# Allegro board S071AA-0413-20260427.brd (continued)
## Routing (per net, layer and track width the routed paths; a pad name or vN(x,y) marks a point on that pad's centre or on a via; arc(x,y) is an arc through that point) (continued)
S1_CBIT035: length 177
  TOP w0.305: LD35.2 118.13,153.92 K35.1
  L13_CBIT w0.305: K35.1 117.39,154.66 117.39,137.32 136.38,118.33 155.16,118.33 164.19,109.3 164.19,18.96 165.37,17.78
S1_CBIT036: length 174.6
  TOP w0.305: LD36.2 140.99,153.67 K36.1
  L13_CBIT w0.305: K36.1 140.14,154.51 140.14,137 145.67,131.47 161.97,131.47 179.33,114.11 179.33,16.5 178.07,15.24
S1_CBIT037: length 200.7
  TOP w0.305: LD37.2 125.75,177.04 K37.1
  L13_CBIT w0.305: 172.99,17.78 171.72,19.05 171.72,112.49 159.95,124.26 140.02,124.26 126.67,137.61 126.67,176.11 K37.1
S1_CBIT038: length 189.6
  TOP w0.305: K38.1 148.61,177.04 LD38.2
  L13_CBIT w0.305: 188.23,15.24 189.59,16.6 189.59,125.23 181.25,133.56 181.25,143.17 146.07,178.36 K38.1
S1_CBIT039: length 178.5
  TOP w0.305: K39.1 125.75,153.92 LD39.2
  L13_CBIT w0.305: 170.45,15.24 169.19,16.5 169.19,111.35 158.18,122.36 139.39,122.36 124.93,136.81 124.93,154.74 K39.1
S1_CBIT040: length 164.1
  TOP w0.305: LD40.2 148.61,153.67 K40.1
  L13_CBIT w0.305: K40.1 184.44,117.84 184.44,16.53 183.15,15.24
S1_CBIT041: length 201.3
  TOP w0.305: K41.1 133.37,177.04 LD41.2
  L13_CBIT w0.305: 175.53,15.24 176.82,16.53 176.82,113.29 161.34,128.77 142.99,128.77 134.31,137.45 134.31,176.09 K41.1
S1_CBIT042: length 184.9
  TOP w0.305: LD42.2 156.23,177.04 K42.1
  L13_CBIT w0.305: 190.77,17.78 192.06,19.07 192.06,126.94 186.77,132.23 186.77,143.51 153.69,176.59 K42.1
S1_CBIT043: length 174.1
  TOP w0.305: K43.1 133.37,153.92 LD43.2
  L13_CBIT w0.305: K43.1 132.6,154.69 132.6,137.19 142.76,127.04 160.22,127.04 174.14,113.12 174.14,19.17 175.53,17.78
S1_CBIT044: length 160.4
  TOP w0.305: K44.1 156.23,153.67 LD44.2
  L13_CBIT w0.305: 185.69,17.78 186.91,19 186.91,124.8 155.5,156.21 K44.1
S1_CBIT045: length 204.5
  TOP w0.305: LD45.2 183.18,209.79 182.51,209.12 K45.8
  L13_CBIT w0.305: 193.31,15.24 194.62,16.55 194.62,128.67 190.5,132.79 190.5,202.8 184.18,209.12 K45.8
S1_CBIT046: length 209
  TOP w0.305: LD46.2 182.84,216.56 182.51,216.23 K46.8
  L13_CBIT w0.305: 195.85,17.78 197.13,19.06 197.13,134.4 194.31,137.22 194.31,204.46 182.54,216.23 K46.8
S1_CSDPS1-1F:
  vias: v1(238.78,294.62)
S1_CSDPS1-1GS: length 565.1
  L16_DPS w0.203: 18.05,337.82 16.86,336.63 7.39,336.63 1.37,342.65 1.37,424.35 3.98,426.95 59.5,426.95 65.6,420.85 79.4,420.85 86.54,427.99 205.73,427.99 212.96,420.76 274.14,420.76 282.65,412.26 282.65,305.93 270.23,293.52 226.63,293.52 225.83,294.32 v1(225.06,294.32)
S1_CSDPS1-1S: length 554
  L16_DPS w0.203: 20.59,337.82 19.37,339.04 6.51,339.04 2.13,343.42 2.13,423.54 4.58,426 59.35,426 65.27,420.08 80.49,420.08 87.8,427.4 205.35,427.4 212.87,419.88 274,419.88 282.05,411.83 282.05,306.18 269.81,293.94 233.06,293.94 v1(232.68,294.32)
S1_CSDPS2-1F:
  vias: v1(123.97,294.62)
S1_CSDPS2-1GS: length 55.5
  L09_DPS w0.203: v1(113.3,294.32) 118.34,299.36 118.34,335.57 119.04,336.26 128.83,336.26 129.81,335.28
S1_CSDPS2-1S: length 46.2
  L09_DPS w0.203: 127.27,335.28 126.2,334.21 121.79,334.21 120.92,333.33 v1(120.92,294.32)
S1_CSDPS3-1F:
  vias: v1(146.83,294.62)
S1_CSDPS3-1GS: length 50.1
  L09_DPS w0.203: v1(136.16,294.32) 136.16,333.98 133.36,336.78 128.3,336.78 127.27,337.82
S1_CSDPS3-1S: length 52
  L09_DPS w0.203: v1(143.78,294.32) 137.29,300.81 137.29,334.9 134.37,337.82 129.81,337.82
S1_CSDPS4-1F:
  vias: v1(45.23,294.62)
S1_CSDPS4-1GS: length 67.7
  L09_DPS w0.203: v1(34.56,294.32) 34.56,298.78 31.65,301.68 16.61,301.68 12.03,306.27 12.03,333.56 15.04,336.57 19.3,336.57 20.59,335.28
S1_CSDPS4-1S: length 68
  L09_DPS w0.203: 18.05,335.28 17.07,334.3 14.68,334.3 13.03,332.64 13.03,306.87 17.39,302.51 37.09,302.51 42.18,297.42 v1(42.18,294.32)
S1_CSDPS5-1F:
  vias: v1(96.03,294.62)
S1_CSDPS5-1GS: length 50
  L09_DPS w0.203: v1(85.36,294.32) 85.36,333.92 87.8,336.36 93.17,336.36 94.25,335.28
S1_CSDPS5-1S: length 45.8
  L09_DPS w0.203: 91.71,335.28 90.72,334.29 88.86,334.29 87.78,333.21 87.78,299.52 v1(92.98,294.32)
S1_CSDPS6-1F:
  vias: v1(175.28,294.62)
S1_CSDPS6-1GS: length 126.4
  L16_DPS w0.203: 91.71,337.82 92.73,338.84 149.09,338.84 174.03,313.9 174.03,293.69 173.54,293.2 169.33,293.2 168.92,293.62 163.45,293.62 162.75,294.32 v1(161.56,294.32)
S1_CSDPS6-1S: length 113.1
  L16_DPS w0.203: v1(169.18,294.32) 169.84,293.66 173.03,293.66 173.42,294.05 173.42,313.09 149.93,336.58 95.49,336.58 94.25,337.82
S1_CSDPS7-1F:
  vias: v1(202.71,294.62)
S1_CSDPS7-1GS: length 236.1
  L16_DPS w0.203: v1(192.04,294.32) 192.04,299.29 185.31,306.03 185.31,325.06 184.23,326.13 184.23,353.7 183.41,354.52 182.84,354.52 180.47,356.89 162.76,356.89 144.97,374.67 88.25,374.67 86.44,376.48 68.3,376.48 61.56,369.74 61.56,341.7 56.5,336.64 54.79,336.64 53.61,337.82
S1_CSDPS7-1S: length 238
  L16_DPS w0.203: 56.15,337.82 60.37,342.04 60.37,369.57 67.96,377.17 143.7,377.17 163.43,357.44 182.68,357.44 184.68,355.43 184.68,326.71 186.16,325.23 186.16,306.62 198.46,294.32 v1(199.66,294.32)
S1_DCH001: length 106.9
  L03_DIG w0.132: K1.4 68.93,156.29 68.93,132.79 55.18,119.05 55.18,100.63 53.61,99.06
S1_DCH002: length 101.4
  L05_DIG w0.132: K2.4 69.74,180.72 69.74,133.78 44.74,108.79 44.74,100.36 43.45,99.06
S1_DCH003: length 122.4
  L07_DIG w0.132: 51.07,76.2 52.34,77.47 52.34,110.77 65.75,124.18 65.75,173.53 K3.4
S1_DCH004: length 142.6
  L20_DIG w0.132: K4.4 22.44,203.53 22.44,128.35 36.82,113.97 36.82,77.19 35.83,76.2
S1_DCH005: length 131.1
  L20_DIG w0.132: K5.4 25.49,198.96 25.49,128.45 39.54,114.4 39.54,79.91 38.37,78.74
S1_DCH006: length 125.6
  L20_DIG w0.132: K6.4 47.87,175.41 47.87,120.35 44.69,117.17 44.69,79.98 43.45,78.74
S1_DCH007: length 145.6
  L07_DIG w0.132: K7.4 49.77,207.24 43.09,207.24 40.76,204.9 40.76,185.55 45.76,180.54 45.76,110.69 47.28,109.17 47.28,77.5 45.99,76.2
S1_DCH008: length 126.6
  L07_DIG w0.132: K8.4 49.67,199.52 49.67,182.42 47.84,180.59 47.84,111.63 49.77,109.7 49.77,79.98 48.53,78.74
S1_DCH009: length 129
  L07_DIG w0.132: K9.4 68.87,178.03 68.87,123.9 54.83,109.85 54.83,79.96 53.61,78.74
S1_DCH010: length 116.3
  L05_DIG w0.132: K10.4 73.73,192.33 67.3,192.33 64.96,189.99 64.96,133.78 42.2,111.02 42.2,97.82 40.91,96.52
S1_DCH011: length 123.6
  L03_DIG w0.132: K11.4 97.15,192.13 87.9,192.13 66.13,170.36 66.13,134.32 52.16,120.35 52.16,97.61 51.07,96.52
S1_DCH012: length 123.3
  L05_DIG w0.132: K12.4 73.75,199.97 65.9,199.97 62.7,196.77 62.7,183.44 48.86,169.6 48.86,122.2 39.61,112.95 39.61,100.3 38.37,99.06
S1_DCH013: length 143.2
  L03_DIG w0.132: 48.53,99.06 49.9,100.43 49.9,119.89 48.61,121.18 48.61,167.89 63.24,182.52 63.24,196.34 66.82,199.92 97.32,199.92 K13.4
S1_DCH014: length 134.8
  L05_DIG w0.132: 35.83,96.52 37.12,97.82 37.12,114.5 46.12,123.49 46.12,170.94 60.06,184.89 60.06,202.26 65.06,207.26 73.42,207.26 K14.4
S1_DCH015: length 155.5
  L03_DIG w0.132: 45.99,96.52 47.11,97.64 47.11,119.28 45.94,120.45 45.94,171.4 59.53,184.99 59.53,202.23 64.81,207.52 97.3,207.52 K15.4
S1_DCH016: length 116.8
  L20_DIG w0.132: 40.91,76.2 42.1,77.39 42.1,115.93 28.72,129.31 K16.4
S1_DCH017: length 148.9
  L18_DIG w0.132: 30.75,76.2 32.04,77.5 32.04,114.38 28.03,118.39 28.03,163.5 34.99,170.46 34.99,211.15 K17.4
S1_DCH018: length 155.4
  L07_DIG w0.132: K18.4 50.1,215.19 42.18,215.19 37.71,210.72 37.71,186.44 30.57,179.3 30.57,115.27 24.35,109.04 24.35,79.96 23.13,78.74
S1_DCH019: length 156.8
  L05_DIG w0.132: K19.4 73.47,214.93 44.09,214.93 39.89,210.74 39.89,169.62 30.32,160.05 30.32,123.8 34.58,119.53 34.58,100.36 33.29,99.06
S1_DCH020: length 182.9
  L03_DIG w0.132: 23.13,99.06 21.86,100.33 21.86,146.86 39.89,164.9 39.89,211.96 42.84,214.91 97.07,214.91 K20.4
S1_DCH021: length 155.9
  L18_DIG w0.132: 33.29,78.74 34.51,79.96 34.51,115.77 30.37,119.91 30.37,160.43 38.47,168.53 38.47,215.29 K21.4
S1_DCH022: length 168
  L07_DIG w0.132: 20.59,76.2 21.83,77.44 21.83,110.62 28.46,117.25 28.46,180.67 34.03,186.23 34.03,216.97 39.64,222.58 49.88,222.58 K22.4
S1_DCH023: length 169.3
  L05_DIG w0.132: K23.4 73.37,222.45 41.19,222.45 35.42,216.69 35.42,170.21 28.13,162.92 28.13,122.78 32.02,118.9 32.02,97.79 30.75,96.52
S1_DCH024: length 196.2
  L03_DIG w0.132: 20.59,96.52 19.34,97.76 19.34,149.12 35.45,165.23 35.45,218.85 39.16,222.55 97.09,222.55 K24.4
S1_DCH025: length 157.3
  L18_DIG w0.132: K25.4 25.64,229.59 25.64,117.25 29.43,113.46 29.43,79.96 28.21,78.74
S1_DCH026: length 180.9
  L07_DIG w0.132: K26.4 49.75,230.07 27.96,230.07 25.75,227.86 25.75,119.05 19.32,112.62 19.32,80.01 18.05,78.74
S1_DCH027: length 182.9
  L05_DIG w0.132: K27.4 73.5,230.2 28.92,230.2 25.49,226.77 25.49,122.05 29.58,117.96 29.58,100.43 28.21,99.06
S1_DCH028: length 210
  L03_DIG w0.132: K28.4 96.97,230.05 27.93,230.05 25.77,227.89 25.77,161.47 15.43,151.13 15.43,101.68 18.05,99.06
S1_DCH029: length 168.4
  L18_DIG w0.132: K29.4 23.28,234.85 23.28,116.71 26.96,113.03 26.96,77.5 25.67,76.2
S1_DCH030: length 192
  L07_DIG w0.132: 15.51,76.2 16.8,77.5 16.8,114.25 23.21,120.65 23.21,232.82 28.06,237.67 49.72,237.67 K30.4
S1_DCH031: length 195.8
  L05_DIG w0.132: K31.4 73.5,237.82 25.62,237.82 23.18,235.38 23.18,121.13 26.94,117.37 26.94,97.79 25.67,96.52
S1_DCH032: length 220.8
  L03_DIG w0.132: 15.51,96.52 13.17,98.86 13.17,153.06 23.26,163.14 23.26,232.79 28.41,237.95 97.25,237.95 K32.4
S1_DCH033: length 108
  L03_DIG w0.132: K33.4 118.04,159.34 118.04,151.09 125.23,143.9 153.92,143.9 176.84,120.97 176.84,97.75 178.07,96.52
S1_DCH034: length 93.3
  L03_DIG w0.132: K34.4 140.71,159.54 140.71,153.43 142.42,151.72 161.19,151.72 184.46,128.44 184.46,100.29 185.69,99.06
S1_DCH035: length 71.7
  L03_DIG w0.132: K35.4 130.37,123.9 147.43,123.9 161.77,109.57 161.77,97.58 162.83,96.52
S1_DCH036: length 54.7
  L03_DIG w0.132: 170.45,99.06 169.29,100.22 169.29,111.07 148.08,132.29 144.59,132.29 K36.4
S1_DCH037: length 100.8
  L03_DIG w0.132: 180.61,99.06 179.39,100.28 179.39,123.18 155.73,146.84 131.26,146.84 125.5,152.6 125.5,159.5 K37.4
S1_DCH038: length 88.1
  L03_DIG w0.132: K38.4 149.88,157.98 159.03,157.98 187.01,130 187.01,97.74 188.23,96.52
S1_DCH039: length 64.3
  L03_DIG w0.132: 165.37,99.06 164.16,100.27 164.16,110.05 147.87,126.34 135.55,126.34 K39.4
S1_DCH040: length 53.1
  L03_DIG w0.132: K40.4 171.77,112.72 171.77,97.73 172.99,96.52
S1_DCH041: length 98.9
  L03_DIG w0.132: K41.4 132.96,159.66 132.96,153.89 137.55,149.31 157.99,149.31 181.94,125.36 181.94,97.73 183.15,96.52
S1_DCH042: length 81.7
  L03_DIG w0.132: 190.77,99.06 189.53,100.3 189.53,132.14 159.87,161.8 K42.4
S1_DCH043: length 62.2
  L03_DIG w0.132: K43.4 140.09,129.42 148.01,129.42 166.71,110.72 166.71,97.72 167.91,96.52
S1_DCH044: length 48.4
  L03_DIG w0.132: K44.4 174.41,117.71 174.41,100.18 175.53,99.06
S1_DCH045: length 185.7
  L03_DIG w0.076: v2(153.92,212.63) 155.01,213.72
  L03_DIG w0.132: 155.01,213.72 155.29,214 168.61,214 174.73,220.12 196.98,220.12 240.31,176.79 240.31,100.34 239.03,99.06
S1_DCH046: length 168.3
  L03_DIG w0.132: v2(153.92,211.83) 155.73,210.02 167.7,210.02 207.17,170.55 207.17,90.53 199.72,83.08 199.72,77.53 198.39,76.2
S1_DCH047: length 168.6
  L07_DIG w0.076: v2(152.32,214.23) 152.72,214.63 154.27,214.63
  L07_DIG w0.132: 154.27,214.63 167.38,214.63 174.23,221.48 177.39,221.48 234.55,278.64 234.55,280.06 253.06,298.56 253.06,328.99 254.27,330.2
S1_DCH048: length 206.2
  L24_DIG w0.132: 251.73,55.88 250.45,57.16 250.45,62.4 243.54,69.31 235.77,69.31 227.09,77.99 227.09,110.49 220.47,117.1 220.47,154.75 166.23,208.99 155.96,208.99 v2(153.92,211.03)
S1_DCH049: length 167.4
  L07_DIG w0.076: v2(152.32,215.03) 152.72,215.43 154.27,215.43
  L07_DIG w0.132: 154.27,215.43 166.48,215.43 237.74,286.7 238.56,286.7 250.48,298.61 250.48,331.49 251.73,332.74
S1_DCH050: length 220.2
  L22_DIG w0.076: 155.13,213.72 154.44,213.03 153.52,213.03 v2(153.12,212.63)
  L22_DIG w0.132: 261.89,76.2 260.66,77.43 260.66,160.3 202.06,218.91 200.67,218.91 199.29,220.28 175.28,220.28 168.76,213.77 155.19,213.77 155.13,213.72
S1_DCH051: length 173.8
  L18_DIG w0.076: v2(151.52,215.03) 151.92,215.43 154.27,215.43
  L18_DIG w0.132: 264.43,330.2 263.12,328.89 263.12,307.55 240.41,284.84 240.41,283.74 237.81,281.14 237.05,281.14 179.19,223.28 175.67,223.28 167.82,215.43 154.27,215.43
S1_DCH052: length 207.1
  L22_DIG w0.076: 154.27,211.43 153.52,211.43 v2(153.12,211.83)
  L22_DIG w0.132: 154.27,211.43 155.16,210.54 167.1,210.54 230,147.64 230,75.27 236.41,68.85 243.84,68.85 254.27,58.42
S1_DCH053: length 242.9
  L18_DIG w0.076: 154.27,213.83 151.92,213.83 v2(151.52,213.43)
  L18_DIG w0.132: 269.51,391.16 268.33,389.98 268.33,302.43 186.83,220.93 175.59,220.93 168.49,213.83 154.27,213.83
S1_DCH054: length 205.9
  L05_DIG w0.076: 154.27,209.83 153.52,209.83 v2(153.12,210.23)
  L05_DIG w0.132: 154.27,209.83 163.24,209.83 224.3,148.77 224.3,85.02 208.54,69.27 195.16,69.27 188.23,76.2
S1_DCH055: length 195.1
  L18_DIG w0.076: 154.27,210.63 151.92,210.63 v2(151.52,211.03)
  L18_DIG w0.132: 266.97,96.52 262.52,92.07 234.78,92.07 222.36,104.48 222.36,153.17 164.9,210.63 154.27,210.63
S1_DCH056: length 197.9
  L22_DIG w0.076: v2(153.12,209.43) 153.52,209.03 154.27,209.03
  L22_DIG w0.132: 154.27,209.03 161.51,209.03 182.94,187.6 185.47,187.6 224.73,148.34 224.73,72.67 233.26,64.14 238.39,64.14 244.11,58.42
S1_DCH057: length 179.8
  L07_DIG w0.076: v2(152.32,211.03) 152.72,210.63 154.27,210.63
  L07_DIG w0.132: 154.27,210.63 165.26,210.63 226.38,149.51 226.38,101.55 249.19,78.74
S1_DCH058: length 200.2
  L24_DIG w0.132: 246.65,55.88 245.39,57.14 245.39,62.02 241.91,65.5 234.72,65.5 224.84,75.39 224.84,107.53 210.57,121.8 210.57,157.1 176.17,191.49 176.17,194.01 162.22,207.97 155.38,207.97 v2(153.92,209.43)
S1_DCH059: length 213.9
  L20_DIG w0.076: v2(152.32,210.23) 152.72,209.83 154.27,209.83
  L20_DIG w0.132: 193.31,55.88 197.18,52.01 207.66,52.01 220.51,64.86 220.51,152.51 163.2,209.83 154.27,209.83
S1_DCH060: length 133.6
  L03_DIG w0.132: v2(153.92,208.63) 156.3,206.25 162.42,206.25 178.95,189.72 178.95,175.5 202.16,152.28 202.16,100.29 200.93,99.06
S1_DCH061: length 174.3
  L07_DIG w0.076: v2(152.32,213.43) 152.72,213.83 154.27,213.83
  L07_DIG w0.132: 256.81,332.74 255.54,331.47 255.54,298.99 237.12,280.57 237.12,278.3 179,220.18 174.06,220.18 167.71,213.83 154.27,213.83
S1_DCH062: length 180.6
  L18_DIG w0.076: 154.27,214.63 151.92,214.63 v2(151.52,214.23)
  L18_DIG w0.132: 266.97,332.74 265.82,331.59 265.82,305.36 238.23,277.77 238.23,276.63 235.82,274.21 234.96,274.21 182.73,221.99 175.51,221.99 168.16,214.63 154.27,214.63
S1_DCH063: length 202.8
  L22_DIG w0.076: v2(153.12,211.03) 153.52,210.63 154.27,210.63
  L22_DIG w0.132: 154.27,210.63 155.07,209.83 165.64,209.83 227.24,148.24 227.24,74.02 235.11,66.15 241.46,66.15 249.19,58.42
S1_DCH064: length 161.7
  L03_DIG w0.132: v2(153.92,210.23) 155.65,208.5 164.76,208.5 204.86,168.4 204.86,92.95 197.16,85.25 197.16,80.05 195.85,78.74
S1_DCH065: length 225.1
  L22_DIG w0.076: 154.27,213.83 153.52,213.83 v2(153.12,213.43)
  L22_DIG w0.132: 154.27,213.83 154.95,214.52 167.73,214.52 174.8,221.59 202.88,221.59 265.77,158.7 265.77,77.4 266.97,76.2
S1_DCH066: length 237.4
  L24_DIG w0.132: v2(153.92,213.43) 154.32,213.83 167.32,213.83 174.5,221.01 198.16,221.01 240.67,178.49 240.67,148.47 263.29,125.85 263.29,59.56 264.43,58.42
S1_DCH067: length 204.3
  L05_DIG w0.076: 154.27,214.63 153.52,214.63 v2(153.12,214.23)
  L05_DIG w0.132: 254.27,99.06 255.57,100.36 255.57,178.79 211.75,222.62 175.22,222.62 167.23,214.63 154.27,214.63
S1_DCH068: length 192.8
  L03_DIG w0.132: 241.57,96.52 242.83,97.78 242.83,179.19 200.31,221.71 173.4,221.71 166.54,214.85 154.54,214.85 v2(153.92,214.23)
S1_DCH069: length 202.1
  L03_DIG w0.132: 246.65,96.52 247.94,97.81 247.94,136.19 247.04,137.08 247.04,183.9 205.25,225.7 169.27,225.7 164.25,220.68 161.06,220.68 158.6,218.22 154.71,218.22 v2(153.92,217.43)
S1_DCH070: length 246.7
  L24_DIG w0.132: 269.51,58.42 268.32,59.61 268.32,130.98 246.81,152.49 246.81,181.64 203.74,224.71 170.76,224.71 162.68,216.63 v2(153.92,216.63)
S1_DCH071: length 194.3
  L03_DIG w0.132: 244.11,99.06 245.31,100.26 245.31,180.86 202.92,223.26 171.75,223.26 164.32,215.83 v2(153.92,215.83)
S1_DCH072: length 244.7
  L24_DIG w0.132: 266.97,55.88 265.82,57.03 265.82,128.4 244.05,150.17 244.05,180.39 201.86,222.59 173.84,222.59 166.28,215.03 v2(153.92,215.03)
S1_DCH073: length 247.6
  L22_DIG w0.076: 154.27,217.03 153.52,217.03 v2(153.12,216.63)
  L22_DIG w0.132: 277.13,373.38 275.92,372.17 275.92,299.17 278.47,296.62 278.47,279.01 226.93,227.47 175.88,227.47 164.83,216.42 156.03,216.42 155.42,217.03 154.27,217.03
S1_DCH074: length 212.4
  L05_DIG w0.076: v2(153.12,215.83) 153.52,216.23 154.27,216.23
  L05_DIG w0.132: 256.81,96.52 258.13,97.84 258.13,136.65 257.3,137.48 257.3,181.43 213.02,225.7 176.19,225.7 166.72,216.23 154.27,216.23
S1_DCH075: length 231.3
  L22_DIG w0.076: 154.27,215.43 153.52,215.43 v2(153.12,215.03)
  L22_DIG w0.132: 272.05,76.2 270.78,77.47 270.78,157.4 203.46,224.72 175.96,224.72 166.66,215.43 154.27,215.43
S1_DCH076: length 162.3
  L07_DIG w0.076: v2(152.32,216.63) 152.72,217.03 154.27,217.03
  L07_DIG w0.132: 154.27,217.03 155.46,217.03 156.55,218.12 159.67,218.12 160.23,217.56 161.05,217.56 161.62,218.12 162.67,218.12 163.24,217.56 163.72,217.56 164.36,218.2 164.36,218.93 236.69,291.26 236.69,297.01 245.41,305.73 245.41,331.5 246.65,332.74
S1_DCH077: length 161.4
  L07_DIG w0.076: 154.27,216.23 152.72,216.23 v2(152.32,215.83)
  L07_DIG w0.132: 249.19,330.2 247.91,328.92 247.91,299.6 164.54,216.23 154.27,216.23
S1_DCH078: length 167.2
  L18_DIG w0.076: 154.27,217.03 151.92,217.03 v2(151.52,216.63)
  L18_DIG w0.132: 154.27,217.03 155.3,218.06 157.85,218.06 159.17,216.75 165.05,216.75 258.12,309.82 258.12,328.97 259.35,330.2
S1_DCH079: length 172.2
  L18_DIG w0.076: 154.27,216.23 151.92,216.23 v2(151.52,215.83)
  L18_DIG w0.132: 261.89,332.74 260.71,331.56 260.71,308.63 238.73,286.65 237.7,286.65 167.28,216.23 154.27,216.23
S1_DCH080: length 252.1
  L20_DIG w0.076: v2(150.72,213.43) 151.13,213.84 154.27,213.84
  L20_DIG w0.132: 154.27,213.84 169.03,213.84 175.35,220.15 198.76,220.15 200.2,218.71 202.93,218.71 240.23,181.41 240.23,39.3 239.03,38.1
S1_DCH081: length 258.8
  L20_DIG w0.076: 154.27,214.64 151.13,214.64 v2(150.72,214.23)
  L20_DIG w0.132: 154.27,214.64 168.33,214.64 175.22,221.53 204.02,221.53 242.67,182.87 242.67,36.66 241.57,35.56
S1_DCH082: length 260.9
  L20_DIG w0.076: 154.27,215.44 151.13,215.44 v2(150.72,215.03)
  L20_DIG w0.132: 244.11,38.1 245.26,39.25 245.26,184.79 206.97,223.08 175.42,223.08 167.78,215.44 154.27,215.44
S1_DCH083: length 230.3
  L20_DIG w0.076: 154.27,216.24 151.13,216.24 v2(150.72,215.83)
  L20_DIG w0.132: 251.73,76.2 253.04,77.51 253.04,128.13 250.95,130.22 250.95,183.31 208.7,225.56 176.07,225.56 166.75,216.24 154.27,216.24
S1_DCH084: length 238.3
  L20_DIG w0.076: v2(150.72,216.63) 151.13,217.04 154.27,217.04
  L20_DIG w0.132: 154.27,217.04 155.17,217.04 156.44,218.31 157.49,218.31 159,216.8 164.85,216.8 167.1,219.04 167.98,219.04 177.87,228.94 209.19,228.94 256.16,181.97 256.16,129.9 258,128.06 258,77.39 256.81,76.2
S1_DCH085: length 171
  L07_DIG w0.076: v2(139.52,219.03) 139.12,219.43 138.55,219.43 138.29,219.68
  L07_DIG w0.132: 138.29,219.68 137.8,220.18 137.8,223.13 138.55,223.88 138.55,228.43 137.17,229.81 137.17,241.43 135.48,243.12 135.48,256.99 165.47,286.98 165.47,312.24 174.32,321.08 174.32,369.63 175.53,370.84
S1_DCH086: length 192.3
  L18_DIG w0.076: 138.29,218.63 139.92,218.63 v2(140.32,218.23)
  L18_DIG w0.132: 138.29,218.63 137.71,219.21 137.71,231.62 135.66,233.67 135.66,276.28 174.25,314.86 174.25,389.88 175.53,391.16
S1_DCH087: length 126.7
  L03_DIG w0.132: v2(138.72,220.63) 137.84,221.51 137.84,271.88 142.64,276.68 143.29,276.68 145.79,279.18 145.79,281.11 149.7,285.02 150.98,285.02 174.24,308.29 174.24,328.92 175.53,330.2
S1_DCH088: length 191.3
  L18_DIG w0.076: v2(140.32,219.83) 140.72,220.23 140.72,222.61
  L18_DIG w0.132: 140.72,222.61 140.72,223.01 139.75,223.98 139.75,228.3 138.54,229.5 138.54,243.39 137.66,244.27 137.66,273.23 146.66,282.23 147.85,282.23 179.31,313.69 179.31,389.86 180.61,391.16
S1_DCH089: length 227.1
  L20_DIG w0.076: v2(141.12,219.03) 141.53,219.44 141.53,222.58
  L20_DIG w0.132: 141.53,222.58 141.53,223.21 142.96,224.64 142.96,250.13 164.74,271.91 238.21,271.91 260.63,294.34 260.63,351.8 261.89,353.06
S1_DCH090: length 247.3
  L24_DIG w0.132: 249.19,391.16 247.97,389.94 247.97,305.18 230.85,288.05 230.85,286.54 208.8,264.49 154.61,264.49 140.32,250.2 140.32,237.48 138.43,235.59 138.43,229.64 140.32,227.75 v2(140.32,222.23)
S1_DCH091: length 170.5
  L07_DIG w0.076: 140.72,222.61 140.72,221.03 v2(140.32,220.63)
  L07_DIG w0.132: 183.15,373.38 181.97,372.2 181.97,318.37 173.79,310.19 173.79,286.24 142.39,254.84 142.39,224.27 140.72,222.61
S1_DCH092: length 191.2
  L18_DIG w0.076: 142.32,222.58 142.32,220.23 v2(141.92,219.83)
  L18_DIG w0.132: 142.32,222.58 142.76,223.02 142.76,237.61 140.64,239.73 140.64,268.18 142.76,270.3 142.76,271.31 163.17,291.72 163.17,292.37 184.44,313.65 184.44,389.91 185.69,391.16
S1_DCH093: length 240.6
  L24_DIG w0.132: 244.11,391.16 242.94,389.99 242.94,319.52 204.54,281.13 204.54,279.67 194.02,269.15 152.18,269.15 137.37,254.34 137.37,221.18 v2(138.72,219.83)
S1_DCH094: length 172.8
  L07_DIG w0.076: 138.37,222.61 138.37,220.46 138.6,220.23 139.12,220.23 v2(139.52,219.83)
  L07_DIG w0.132: 178.07,373.38 176.75,372.06 176.75,320.37 167.88,311.49 167.88,285.84 137.4,255.36 137.4,243.5 137.89,243.01 137.89,229.87 139.79,227.97 139.79,224.02 138.37,222.61
S1_DCH095: length 247.8
  L24_DIG w0.132: v2(138.72,221.43) 138.05,222.1 138.05,243 139.16,244.12 139.16,251.62 154.23,266.69 205.94,266.69 245.52,306.27 245.52,392.57 246.65,393.7
S1_DCH096: length 193.7
  L18_DIG w0.076: v2(140.32,219.03) 139.92,219.43 138.6,219.43 138.29,219.73
  L18_DIG w0.132: 138.29,219.73 138.2,219.82 138.2,232.2 137.17,233.24 137.17,274.7 176.81,314.35 176.81,392.44 178.07,393.7
S1_DCH097: length 127.1
  L03_DIG w0.132: 180.61,330.2 179.35,328.94 179.35,308.05 165.61,294.32 165.61,292.81 164.01,291.21 163.21,291.21 140.33,268.33 140.33,239.19 142.28,237.23 142.28,229.62 140.4,227.74 140.4,223.11 v2(139.52,222.23)
S1_DCH098: length 224.5
  L22_DIG w0.076: 140.72,222.61 140.72,221.83 v2(140.32,221.43)
  L22_DIG w0.132: 140.72,222.61 142.44,224.32 142.44,250.01 155.84,263.41 207.1,263.41 230.32,286.63 230.32,287.88 248.11,305.67 248.11,369.76 249.19,370.84
S1_DCH099: length 251.2
  L24_DIG w0.076: v2(141.12,221.43) 141.52,221.83 141.52,222.61
  L24_DIG w0.132: 141.52,222.61 141.52,223.73 142.42,224.63 142.42,249.33 156.07,262.98 211.05,262.98 234.71,286.64 236.26,286.64 250.55,300.93 250.55,392.52 251.73,393.7
S1_DCH100: length 176.8
  L07_DIG w0.076: 138.29,217.03 139.12,217.03 v2(139.52,216.63)
  L07_DIG w0.132: 138.29,217.03 135.98,219.34 135.98,224.7 136.59,225.31 136.59,228.22 135.08,229.73 135.08,235.64 130.67,240.06 130.67,258.78 159.24,287.35 159.24,314.01 166.67,321.44 166.67,372.14 167.91,373.38
S1_DCH101: length 187.8
  L20_DIG w0.076: v2(141.12,217.43) 140.72,217.03 138.29,217.03
  L20_DIG w0.132: 138.29,217.03 137.92,217.03 136.84,218.11 136.84,222.39 138.53,224.08 138.53,242.5 139.4,243.38 139.4,254.63 202.34,317.57 202.34,372.25 203.47,373.38
S1_DCH102: length 231.5
  L20_DIG w0.076: 138.29,217.83 140.72,217.83 v2(141.12,218.23)
  L20_DIG w0.132: 138.29,217.83 137.93,218.19 137.93,222.45 138.44,222.96 139.59,222.96 140.4,223.77 140.4,227.67 142.52,229.79 142.52,235.51 140.4,237.63 140.4,250.1 164.38,274.09 237.78,274.09 258.13,294.44 258.13,349.3 259.35,350.52
S1_DCH103: length 169.6
  L07_DIG w0.076: 139.92,222.61 139.92,221.03 v2(139.52,220.63)
  L07_DIG w0.132: 139.92,222.61 140.48,223.16 140.48,227.93 138.55,229.85 138.55,235.51 140.48,237.44 140.48,242.2 139.48,243.19 139.48,255.04 171.08,286.64 171.08,311.55 179.39,319.85 179.39,369.62 180.61,370.84
S1_DCH104: length 127.9
  L03_DIG w0.132: v2(138.72,222.23) 138.34,222.61 138.34,241.67 139.46,242.78 139.46,270.87 145.67,277.08 146.25,277.08 149.75,280.58 149.75,281.16 160.16,291.57 160.16,292.25 161.24,293.33 161.91,293.33 176.82,308.23 176.82,331.49 178.07,332.74
S1_DCH105: length 127.9
  L03_DIG w0.132: v2(141.12,222.23) 142.89,224 142.89,264.25 181.88,303.24 181.88,331.47 183.15,332.74
S1_DCH106: length 169.8
  L07_DIG w0.076: v2(141.12,220.63) 141.52,221.03 141.52,222.61
  L07_DIG w0.132: 141.52,222.61 142.95,224.03 142.95,253.14 170.86,281.05 172.76,281.05 173.76,282.06 173.76,285.21 184.43,295.88 184.43,369.58 185.69,370.84
S1_DCH107: length 129.9
  L03_DIG w0.132: 170.45,330.2 169.23,328.98 169.23,309.69 134.92,275.39 134.92,235.56 136.96,233.52 136.96,218.39 v2(138.72,216.63)
S1_DCH108: length 148.2
  L05_DIG w0.076: 138.29,217.86 v2(138.72,217.43)
  L05_DIG w0.132: 170.45,350.52 169.23,349.3 169.23,303.37 151.51,285.65 150.21,285.65 137.24,272.67 137.24,233.41 137.88,232.77 137.88,218.27 138.29,217.86
S1_DCH109: length 146.8
  L05_DIG w0.076: 139.92,222.61 139.92,221.83 v2(139.52,221.43)
  L05_DIG w0.132: 172.99,353.06 171.74,351.81 171.74,303.47 159.69,291.42 159.69,290.81 139.92,271.04 139.92,239.09 138.34,237.51 138.34,229.64 139.92,228.06 139.92,222.61
